# KiCad board reform2-keyboard3.kicad_pcb (continued)
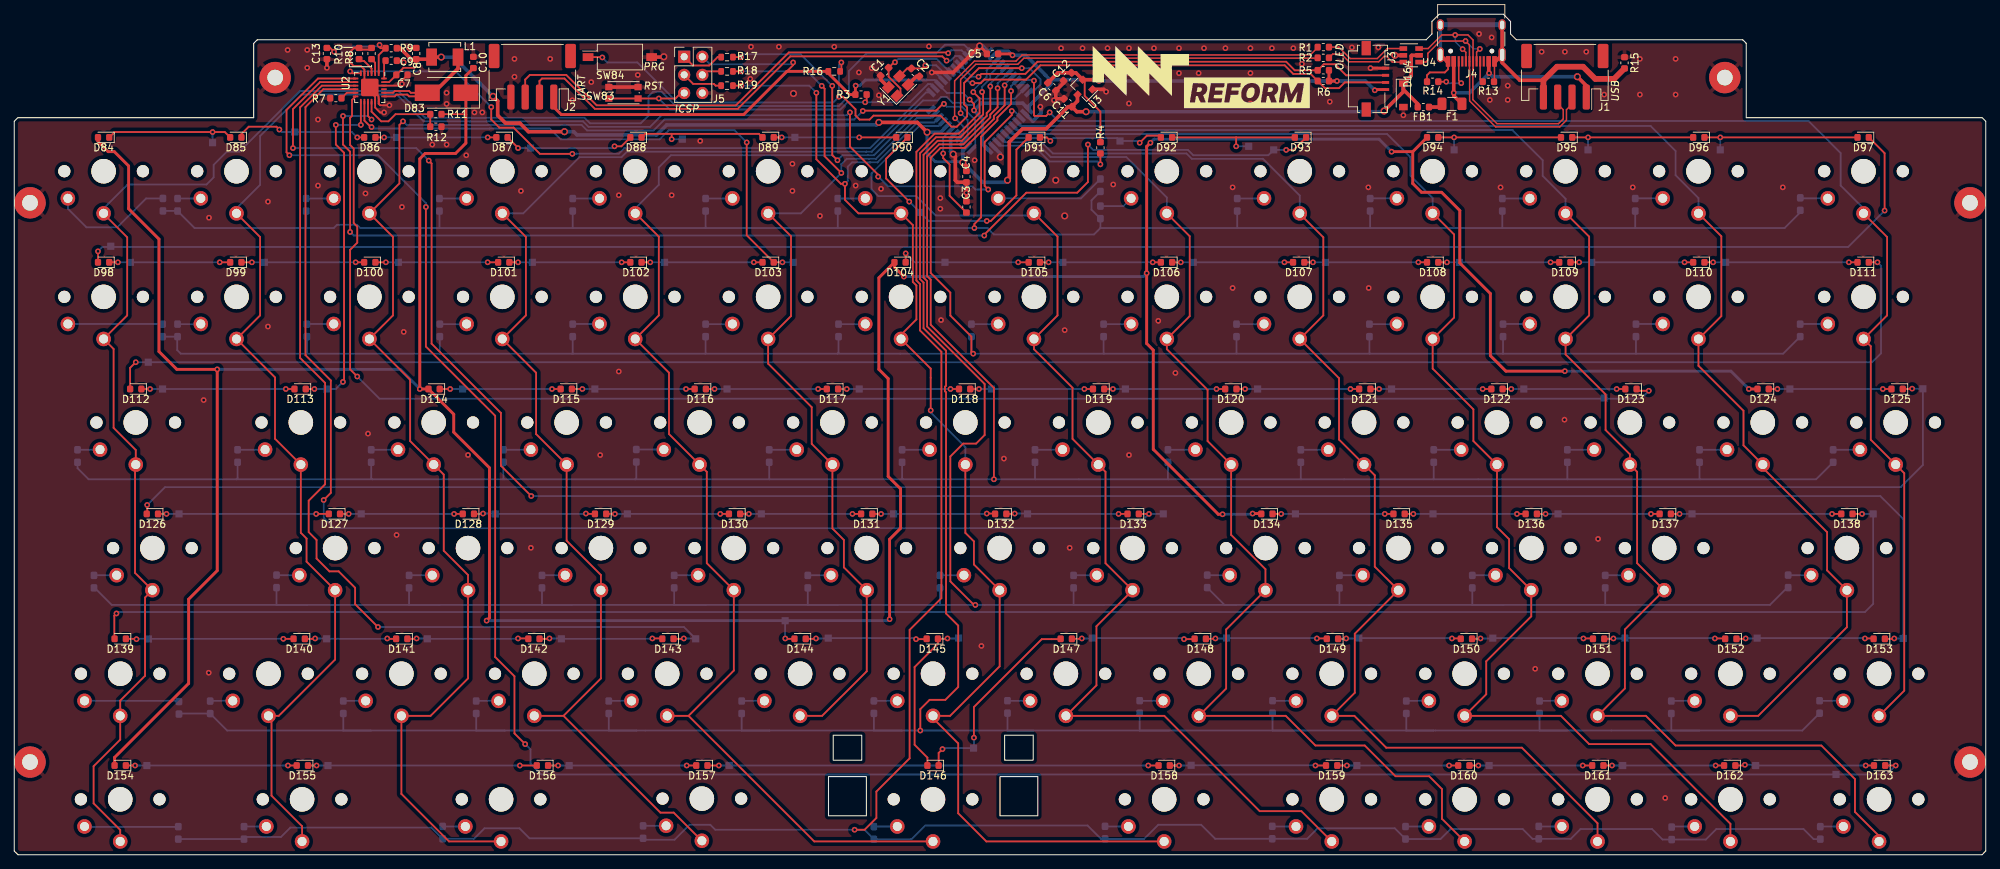
[diagram p0: board, top side]
## Placement (name value [footprint] x y rotation side) (continued)
TP73  TP  [TestPoint_Pad_1.0x1.0mm]  172.75 99.25 0 bottom
TP74  TP  [TestPoint_Pad_1.0x1.0mm]  91 83 0 bottom
TP75  TP  [TestPoint_Pad_1.0x1.0mm]  20.75 65.25 0 bottom
TP76  TP  [TestPoint_Pad_1.0x1.0mm]  211.25 65.25 0 bottom
TP77  TP  [TestPoint_Pad_1.0x1.0mm]  141.8 47.75 0 bottom
TP78  TP  [TestPoint_Pad_1.0x1.0mm]  76.56 30.25 0 bottom
TP79  TP  [TestPoint_Pad_1.0x1.0mm]  243.91 30.35 0 bottom
TP80  TP  [TestPoint_Pad_1.0x1.0mm]  243.7 12.5 0 bottom
TP81  TP  [TestPoint_Pad_1.0x1.0mm]  176.25 98.75 0 bottom
TP82  TP  [TestPoint_Pad_1.0x1.0mm]  109 83 0 bottom
TP83  TP  [TestPoint_Pad_1.0x1.0mm]  43.75 65.25 0 bottom
TP84  TP  [TestPoint_Pad_1.0x1.0mm]  222.5 64 0 bottom
TP85  TP  [TestPoint_Pad_1.0x1.0mm]  160.8 47.75 0 bottom
TP86  TP  [TestPoint_Pad_1.0x1.0mm]  95.36 30.25 0 bottom
TP87  TP  [TestPoint_Pad_1.0x1.0mm]  264.35 30.3 0 bottom
TP88  TP  [TestPoint_Pad_1.0x1.0mm]  254.95 11.25 0 bottom
U1  ATMEGA32U4-AU  [TQFP-44_10x10mm_Pitch0.8mm]  135.15 105.6 45 bottom
U2  TPS61185  [VQFN-24-1EP_4x4mm_P0.5mm_EP2.45x2.45mm]  49.75 107.5 270 top
U3  MCP1700-3302E_SOT23  [SOT-23]  149.5 107.2 225 top
U4  USBLC6-2SC6  [SOT-23-6]  195.5 112 0 top
Y1  16MHz  [Crystal_SMD_3225-4Pin_3.2x2.5mm]  123.7 107.7 45 top

## Library data of the parts
C1 C2 = -: LCSC: C107040; Manufacturer: Yageo; Manufacturer_No: CC0603JRNPO9BN180
C3 C5 C8 C9 C11-C13 = -: LCSC: C14664; Manufacturer: Yageo; Manufacturer_No: CC0603KRX5R8BB105
C4 C6 = -: LCSC: C14663; Manufacturer: Yageo; Manufacturer_No: CC0603KRX7R9BB104
C7 C10 = -: LCSC: C90057; Manufacturer: Murata; Manufacturer_No: GRM188R61E475KE11D
D1-D35 D37-D80 D82 = -: Alt Manuf: On; LCSC: C193404; Manufacturer: MDD; Manufacturer_No: 1N4007WS
D83 = -: Alt Manuf: Diodes; LCSC: C719400; Manufacturer: UMW; Manufacturer_No: SS26
D84-D163 = -: LCSC: C389521; Manufacturer: Meihua; Manufacturer_No: MHT192WDT-C2
D164 = -: Alt Manuf: Nexperia; LCSC: C173406; Manufacturer: MDD; Manufacturer_No: BZT52C5V6
F1 = -: Alt Manuf: Bel Fuse; LCSC: C70082; Manufacturer: TECHFUSE; Manufacturer_No: nSMD100-16V
FB1 = -: LCSC: C14709; Manufacturer: Murata; Manufacturer_No: BLM18PG121SN1D
GFX1-GFX3 H1-H6 J5 = -: Flags: DNP; Manufacturer: DNP; Manufacturer_No: DNP
J1 J2 = -: Alt MPN: 62000411622; Alt Manuf: Würth; LCSC: C265332; Manufacturer: JST; Manufacturer_No: S4B-PH-SM4-K-TB(LF)(SN)
J3 = -: Alt MPN: 686104148922; Alt Manuf: Würth; LCSC: C555410; Manufacturer: XFCN; Manufacturer_No: F1002-B-04-20T-R
J4 = -: LCSC: C165948; Manufacturer: Korean Hroparts; Manufacturer_No: TYPE-C-31-M-12
L1 = -: Alt MPN: SRP4020TA-100M; Alt Manuf: Bourns; LCSC: C98364; Manufacturer: Sunlord; Manufacturer_No: WPN4020H100MT
R1 R2 R17-R19 = -: LCSC: C107701; Manufacturer: Yageo; Manufacturer_No: RC0603FR-0722RL
R3 R16 = -: LCSC: C99198; Manufacturer: Yageo; Manufacturer_No: RC0603JR-0710KL
R4 R15 = -: LCSC: C95177; Manufacturer: Yageo; Manufacturer_No: RC0603JR-070RL
R5 R6 R9 = -: LCSC: C105428; Manufacturer: Yageo; Manufacturer_No: RC0603JR-074K7L
R7 = -: LCSC: C137694; Manufacturer: Yageo; Manufacturer_No: RC0603FR-0762KL
R8 = -: LCSC: C245986; Manufacturer: Yageo; Manufacturer_No: RC0603FR-07604KL
R10 = -: LCSC: C137685; Manufacturer: Yageo; Manufacturer_No: RC0603FR-07715KL
R11 = -: LCSC: C107698; Manufacturer: Yageo; Manufacturer_No: RC0603JR-071ML
R12 = -: LCSC: C227961; Manufacturer: Yageo; Manufacturer_No: AC0603FR-0754K9L
R13 R14 = -: LCSC: C105580; Manufacturer: Yageo; Manufacturer_No: RC0603FR-075K1L
SW1-SW35 SW37-SW80 SW82 = -: LCSC: C400230; Manufacturer: Kailh; Manufacturer_No: CPG135001D02
SW83 = -: Alt MPN: KMR221GLFS; Alt Manuf: C&K; LCSC: C318893; Manufacturer: XKB; Manufacturer_No: TS-1185EC-C-D-B
SW84 = -: Alt MPN: 418121270801; Alt Manuf: Würth; LCSC: C402914; Manufacturer: Dongguan Guangzhu; Manufacturer_No: DSIC01LSGET
U1 = -: Manufacturer: Microchip; Manufacturer_No: ATMEGA32U4-AU / RC
U2 = -: LCSC: C2867853; Manufacturer: Texas Instruments; Manufacturer_No: TPS61185RGET
U3 = -: LCSC: C39051; Manufacturer: Microchip; Manufacturer_No: MCP1700T-3302E/TT
U4 = -: Alt Manuf: STMicroelectronics; LCSC: C2687116; Manufacturer: UMW
Y1 = -: Alt MPN: ABM8AIG-16.000MHz-4-T; Alt Manuf: Abracon; LCSC: C70562; Manufacturer: Yangxing; Manufacturer_No: X322516MRB4SI

## Footprints (pads in the part's own frame, mm; a bottom-side part is the same pattern mirrored in y, then rotated)
C_0603_1608Metric
  rrect 0.875x0.95 smd: 1(-0.788,0) 2(0.788,0)
Crystal_SMD_3225-4Pin_3.2x2.5mm
  rect 1.4x1.2 smd: 1(-1.1,-0.85) 2(1.1,-0.85) 3(1.1,0.85) 4(-1.1,0.85)
D_0603_1608Metric_Pad1.05x0.95mm_HandSolder
  rrect 1.05x0.95 smd: 1(-0.875,0) 2(0.875,0)
D_SMB_Handsoldering
  rect 3.5x2.3 smd: 1(-2.7,0) 2(2.7,0)
D_SOD-123
  rect 0.9x1.2 smd: 1(-1.65,0) 2(1.65,0)
IND_SRP4020TA-150M
  rect 1.5x2.4 smd: 1(-1.85,0) 2(1.85,0)
JST_PH_S4B-PH-SM4-TB_1x04-1MP_P2.00mm_Horizontal
  rrect 1x3.5 smd: 1(-3,2.85) 2(-1,2.85) 3(1,2.85) 4(3,2.85)
  rrect 1.5x3.4 smd: MP(-5.35,-2.9) MP(5.35,-2.9)
L_0603_1608Metric
  rrect 0.875x0.95 smd: 1(-0.787,0) 2(0.787,0)
LED_0603_1608Metric
  rrect 0.875x0.95 smd: 1(-0.787,0) 2(0.787,0)
Molex_200528-0040_1x04-1MP_P1.00mm_Horizontal
  rect 0.4x1 smd: 1(-1.5,0.91) 2(-0.5,0.91) 3(0.5,0.91) 4(1.5,0.91)
  rect 2x1.3 smd: MP(-4.3,-1.79) MP(4.3,-1.79)
MountingHole_2.2mm_M2_Pad
  round 4.4 hole 2.2: 1(0,0)
PG1350
  round 1.702 hole 1.702 unplated: (-5.5,0) (5.5,0)
  round 3.429 hole 3.429 unplated: (0,0)
  round 2.032 hole 1.27: 1(0,-5.9) 2(-5,-3.8)
PinHeader_2x03_P2.54mm_Vertical
  rect 1.7x1.7 hole 1: 1(0,0)
  oval 1.7x1.7 hole 1: 2(2.54,0) 3(0,-2.54) 4(2.54,-2.54) 5(0,-5.08) 6(2.54,-5.08)
R_0603_1608Metric
  rrect 0.875x0.95 smd: 1(-0.787,0) 2(0.787,0)
R_0603_1608Metric#2
  rrect 0.8x0.95 smd: 1(-0.825,0) 2(0.825,0)
R_1206_3216Metric
  rrect 1.25x1.75 smd: 1(-1.4,0) 2(1.4,0)
SOT-23
  rect 0.9x0.8 smd: 1(-1,0.95) 2(-1,-0.95) 3(1,0)
SOT-23-6
  rect 1.06x0.65 smd: 1(-1.1,0.95) 2(-1.1,0) 3(-1.1,-0.95) 4(1.1,-0.95) 5(1.1,0) 6(1.1,0.95)
SW_DIP_SPSTx01_Slide_Omron_A6S-110x_W8.9mm_P2.54mm
  rect 1.5x1.1 smd: 1(-4.45,0) 2(4.45,0)
SW_Push_1P1T_NO_CK_KMR2
  rect 1x0.9 smd: 1(-2.05,0.8) 1(2.05,0.8) 2(-2.05,-0.8) 2(2.05,-0.8)
TestPoint_Pad_1.0x1.0mm
  rect 1x1 smd: 1(0,0)
TQFP-44_10x10mm_Pitch0.8mm
  rect 1.5x0.55 smd: 1(-5.7,4) 2(-5.7,3.2) 3(-5.7,2.4) 4(-5.7,1.6) 5(-5.7,0.8) 6(-5.7,0) 7(-5.7,-0.8) 8(-5.7,-1.6) 9(-5.7,-2.4) 10(-5.7,-3.2) 11(-5.7,-4) 23(5.7,-4) 24(5.7,-3.2) 25(5.7,-2.4) 26(5.7,-1.6) 27(5.7,-0.8) 28(5.7,0) 29(5.7,0.8) 30(5.7,1.6) 31(5.7,2.4) 32(5.7,3.2) 33(5.7,4)
  rect 0.55x1.5 smd: 12(-4,-5.7) 13(-3.2,-5.7) 14(-2.4,-5.7) 15(-1.6,-5.7) 16(-0.8,-5.7) 17(0,-5.7) 18(0.8,-5.7) 19(1.6,-5.7) 20(2.4,-5.7) 21(3.2,-5.7) 22(4,-5.7) 34(4,5.7) 35(3.2,5.7) 36(2.4,5.7) 37(1.6,5.7) 38(0.8,5.7) 39(0,5.7) 40(-0.8,5.7) 41(-1.6,5.7) 42(-2.4,5.7) 43(-3.2,5.7) 44(-4,5.7)
USB_C_Receptacle_HRO_TYPE-C-31-M-12
  round 0.65 hole 0.65 unplated: (-2.89,2.6) (2.89,2.6)
  rect 0.6x1.45 smd: A1(-3.25,4.045) A4(-2.45,4.045) A9(2.45,4.045) A12(3.25,4.045) B1(3.25,4.045) B4(2.45,4.045) B9(-2.45,4.045) B12(-3.25,4.045)
  rect 0.3x1.45 smd: A5(-1.25,4.045) A6(-0.25,4.045) A7(0.25,4.045) A8(1.25,4.045) B5(1.75,4.045) B6(0.75,4.045) B7(-0.75,4.045) B8(-1.75,4.045)
  oval 1x2.1 hole 0.6x1.7: S1(-4.32,3.13) S1(4.32,3.13)
  oval 1x1.6 hole 0.6x1.2: S1(-4.32,-1.05) S1(4.32,-1.05)
VQFN-24-1EP_4x4mm_P0.5mm_EP2.45x2.45mm
  rrect 0.66x0.66 smd: (-0.82,0.82) (-0.82,0) (-0.82,-0.82) (0,0.82) (0,0) (0,-0.82) (0.82,0.82) (0.82,0) (0.82,-0.82)
  rrect 0.775x0.25 smd: 1(-1.988,1.25) 2(-1.988,0.75) 3(-1.988,0.25) 4(-1.988,-0.25) 5(-1.988,-0.75) 6(-1.988,-1.25) 13(1.988,-1.25) 14(1.988,-0.75) 15(1.988,-0.25) 16(1.988,0.25) 17(1.988,0.75) 18(1.988,1.25)
  rrect 0.25x0.775 smd: 7(-1.25,-1.988) 8(-0.75,-1.988) 9(-0.25,-1.988) 10(0.25,-1.988) 11(0.75,-1.988) 12(1.25,-1.988) 19(1.25,1.988) 20(0.75,1.988) 21(0.25,1.988) 22(-0.25,1.988) 23(-0.75,1.988) 24(-1.25,1.988)
  rrect 2.45x2.45 smd: 25(0,0)

## Nets
+3V3: C5.1 C6.1 C12.1 J2.1 J3.4 J5.2 R3.1 R4.2 R5.1 R6.1 R16.1 U1.14 U1.24 U1.34 U1.44 U3.2
+5V: C4.1 C7.1 C8.1 C11.1 D164.1 FB1.1 L1.1 R9.1 U1.2 U1.7 U2.23 U3.3 U4.5
GND: C1.2 C2.2 C3.2 C4.2 C5.2 C6.2 C7.2 C8.2 C9.2 C10.2 C11.2 C12.2 C13.2 D164.2 H1.1 H2.1 H3.1 H4.1 H5.1 H6.1 J2.4 J3.1 J5.6 R7.2 R8.2 R10.2 R12.2 R15.1 SW83.2 SW84.2 U1.5 U1.15 U1.23 U1.35 U1.43 U2.5 U2.17 U2.18 U2.22 U2.25 U3.1 U4.2 Y1.2 Y1.4
/Reform KBD MCU/MISO: J5.1 R17.2
/Reform KBD MCU/MOSI: J5.4 R18.2
/Reform KBD MCU/SCK: J5.3 R19.2
/Reform KBD MCU/UD+: R1.1 U1.4
/Reform KBD MCU/UD-: R2.1 U1.3
COL1: SW1.1 SW2.1 SW3.1 SW4.1 SW5.1 SW6.1 U1.22
COL2: SW7.1 SW8.1 SW9.1 SW10.1 SW11.1 SW12.1 U1.36
COL3: SW13.1 SW14.1 SW15.1 SW16.1 SW17.1 SW18.1 U1.1
COL4: SW19.1 SW20.1 SW21.1 SW22.1 SW23.1 SW24.1 U1.32
COL5: R17.1 SW25.1 SW26.1 SW27.1 SW28.1 SW29.1 SW30.1 U1.11
COL6: R18.1 SW31.1 SW32.1 SW33.1 SW34.1 SW35.1 U1.10
COL7: R19.1 SW37.1 SW38.1 SW39.1 SW40.1 SW41.1 SW42.1 U1.9
COL8: SW43.1 SW44.1 SW45.1 SW46.1 SW47.1 SW48.1 U1.8
COL9: SW49.1 SW50.1 SW51.1 SW52.1 SW53.1 SW54.1 U1.41
COL10: SW55.1 SW56.1 SW57.1 SW58.1 SW59.1 SW60.1 U1.40
COL11: SW61.1 SW62.1 SW63.1 SW64.1 SW65.1 SW66.1 U1.39
COL12: SW67.1 SW68.1 SW69.1 SW70.1 SW71.1 SW72.1 U1.38
COL13: SW73.1 SW74.1 SW75.1 SW76.1 SW77.1 U1.37
COL14: SW78.1 SW79.1 SW80.1 SW82.1 U1.31
D+: R1.2 U4.1
D-: R2.2 U4.3
DISP_SCL: J3.3 R6.2 U1.18
DISP_SDA: J3.2 R5.2 U1.19
HD+: J1.3 J4.A6 J4.B6 U4.6
HD-: J1.2 J4.A7 J4.B7 U4.4
PROG: R16.2 SW84.1 U1.33
PWM: U1.12 U2.6
RESET: J5.5 R3.2 SW83.1 U1.13
ROW1: D1.1 D7.1 D13.1 D19.1 D25.1 D31.1 D37.1 D43.1 D49.1 D55.1 D61.1 D67.1 D73.1 D78.1 U1.30
ROW2: D2.1 D8.1 D14.1 D20.1 D26.1 D32.1 D38.1 D44.1 D50.1 D56.1 D62.1 D68.1 D74.1 D79.1 U1.29
ROW3: D3.1 D9.1 D15.1 D21.1 D27.1 D33.1 D39.1 D45.1 D51.1 D57.1 D63.1 D69.1 D75.1 D80.1 U1.28
ROW4: D4.1 D10.1 D16.1 D22.1 D28.1 D34.1 D40.1 D46.1 D52.1 D58.1 D64.1 D70.1 D76.1 U1.27
ROW5: D5.1 D11.1 D17.1 D23.1 D29.1 D35.1 D41.1 D47.1 D53.1 D59.1 D65.1 D71.1 D77.1 D82.1 U1.26
ROW6: D6.1 D12.1 D18.1 D24.1 D30.1 D42.1 D48.1 D54.1 D60.1 D66.1 D72.1 U1.25
UART_RX: J2.2 U1.20
UART_TX: J2.3 U1.21
Net-(C1-Pad1): C1.1 U1.17 Y1.1
Net-(C2-Pad1): C2.1 U1.16 Y1.3
Net-(C3-Pad1): C3.1 U1.6
Net-(C9-Pad1): C9.1 U2.24
Net-(C10-Pad1): C10.1 D83.1 D84.2 D94.2 D104.2 D114.2 D124.2 D134.2 D144.2 D154.2 R11.1 TP1.1
Net-(C13-Pad1): C13.1 R9.2 U2.1
Net-(D1-Pad2): D1.2 SW1.2
Net-(D2-Pad2): D2.2 SW2.2
Net-(D3-Pad2): D3.2 SW3.2
Net-(D4-Pad2): D4.2 SW4.2
Net-(D5-Pad2): D5.2 SW5.2
Net-(D6-Pad2): D6.2 SW6.2
Net-(D7-Pad2): D7.2 SW7.2
Net-(D8-Pad2): D8.2 SW8.2
Net-(D9-Pad2): D9.2 SW9.2
Net-(D10-Pad2): D10.2 SW10.2
Net-(D11-Pad2): D11.2 SW11.2
Net-(D12-Pad2): D12.2 SW12.2
Net-(D13-Pad2): D13.2 SW13.2
Net-(D14-Pad2): D14.2 SW14.2
Net-(D15-Pad2): D15.2 SW15.2
Net-(D16-Pad2): D16.2 SW16.2
Net-(D17-Pad2): D17.2 SW17.2
Net-(D18-Pad2): D18.2 SW18.2
Net-(D19-Pad2): D19.2 SW19.2
Net-(D20-Pad2): D20.2 SW20.2
Net-(D21-Pad2): D21.2 SW21.2
Net-(D22-Pad2): D22.2 SW22.2
Net-(D23-Pad2): D23.2 SW23.2
Net-(D24-Pad2): D24.2 SW24.2
Net-(D25-Pad2): D25.2 SW25.2
Net-(D26-Pad2): D26.2 SW26.2
Net-(D27-Pad2): D27.2 SW27.2
Net-(D28-Pad2): D28.2 SW28.2
Net-(D29-Pad2): D29.2 SW29.2
Net-(D30-Pad2): D30.2 SW30.2
Net-(D31-Pad2): D31.2 SW31.2
Net-(D32-Pad2): D32.2 SW32.2
Net-(D33-Pad2): D33.2 SW33.2
Net-(D34-Pad2): D34.2 SW34.2
Net-(D35-Pad2): D35.2 SW35.2
Net-(D37-Pad2): D37.2 SW37.2
Net-(D38-Pad2): D38.2 SW38.2
Net-(D39-Pad2): D39.2 SW39.2
Net-(D40-Pad2): D40.2 SW40.2
Net-(D41-Pad2): D41.2 SW41.2
Net-(D42-Pad2): D42.2 SW42.2
Net-(D43-Pad2): D43.2 SW43.2
Net-(D44-Pad2): D44.2 SW44.2
Net-(D45-Pad2): D45.2 SW45.2
Net-(D46-Pad2): D46.2 SW46.2
Net-(D47-Pad2): D47.2 SW47.2
Net-(D48-Pad2): D48.2 SW48.2
Net-(D49-Pad2): D49.2 SW49.2
Net-(D50-Pad2): D50.2 SW50.2
Net-(D51-Pad2): D51.2 SW51.2
Net-(D52-Pad2): D52.2 SW52.2
Net-(D53-Pad2): D53.2 SW53.2
Net-(D54-Pad2): D54.2 SW54.2
Net-(D55-Pad2): D55.2 SW55.2
Net-(D56-Pad2): D56.2 SW56.2
Net-(D57-Pad2): D57.2 SW57.2
Net-(D58-Pad2): D58.2 SW58.2
Net-(D59-Pad2): D59.2 SW59.2
Net-(D60-Pad2): D60.2 SW60.2
Net-(D61-Pad2): D61.2 SW61.2
Net-(D62-Pad2): D62.2 SW62.2
Net-(D63-Pad2): D63.2 SW63.2
Net-(D64-Pad2): D64.2 SW64.2
Net-(D65-Pad2): D65.2 SW65.2
Net-(D66-Pad2): D66.2 SW66.2
Net-(D67-Pad2): D67.2 SW67.2
Net-(D68-Pad2): D68.2 SW68.2
Net-(D69-Pad2): D69.2 SW69.2
Net-(D70-Pad2): D70.2 SW70.2
Net-(D71-Pad2): D71.2 SW71.2
Net-(D72-Pad2): D72.2 SW72.2
Net-(D73-Pad2): D73.2 SW73.2
Net-(D74-Pad2): D74.2 SW74.2
Net-(D75-Pad2): D75.2 SW75.2
Net-(D76-Pad2): D76.2 SW76.2
Net-(D77-Pad2): D77.2 SW77.2
Net-(D78-Pad2): D78.2 SW78.2
Net-(D79-Pad2): D79.2 SW79.2
Net-(D80-Pad2): D80.2 SW80.2
Net-(D82-Pad2): D82.2 SW82.2
Net-(D83-Pad2): D83.2 L1.2 U2.19 U2.20
Net-(D84-Pad1): D84.1 D85.2 TP9.1
Net-(D85-Pad1): D85.1 D86.2 TP17.1
Net-(D86-Pad1): D86.1 D87.2 TP25.1
Net-(D87-Pad1): D87.1 D88.2 TP33.1
Net-(D88-Pad1): D88.1 D89.2 TP41.1
Net-(D89-Pad1): D89.1 D90.2 TP49.1
Net-(D90-Pad1): D90.1 D91.2 TP57.1
Net-(D91-Pad1): D91.1 D92.2 TP65.1
Net-(D92-Pad1): D92.1 D93.2 TP73.1
Net-(D93-Pad1): D93.1 TP81.1 U2.15
Net-(D94-Pad1): D94.1 D95.2 TP10.1
Net-(D95-Pad1): D95.1 D96.2 TP18.1
Net-(D96-Pad1): D96.1 D97.2 TP26.1
Net-(D97-Pad1): D97.1 D98.2 TP34.1
Net-(D98-Pad1): D98.1 D99.2 TP42.1
Net-(D100-Pad1): D100.1 D101.2 TP58.1
Net-(D100-Pad2): D99.1 D100.2 TP50.1
Net-(D101-Pad1): D101.1 D102.2 TP66.1
Net-(D102-Pad1): D102.1 D103.2 TP74.1
Net-(D103-Pad1): D103.1 TP82.1 U2.14
Net-(D104-Pad1): D104.1 D105.2 TP11.1
Net-(D105-Pad1): D105.1 D106.2 TP19.1
Net-(D106-Pad1): D106.1 D107.2 TP27.1
Net-(D107-Pad1): D107.1 D108.2 TP35.1
Net-(D108-Pad1): D108.1 D109.2 TP43.1
Net-(D109-Pad1): D109.1 D110.2 TP51.1
Net-(D110-Pad1): D110.1 D111.2 TP59.1
Net-(D111-Pad1): D111.1 D112.2 TP67.1
Net-(D112-Pad1): D112.1 D113.2 TP75.1
Net-(D113-Pad1): D113.1 TP83.1 U2.13
Net-(D114-Pad1): D114.1 D115.2 TP12.1
Net-(D115-Pad1): D115.1 D116.2 TP20.1
Net-(D116-Pad1): D116.1 D117.2 TP28.1
Net-(D117-Pad1): D117.1 D118.2 TP36.1
Net-(D118-Pad1): D118.1 D119.2 TP44.1
Net-(D119-Pad1): D119.1 D120.2 TP52.1
Net-(D120-Pad1): D120.1 D121.2 TP60.1
Net-(D121-Pad1): D121.1 D122.2 TP68.1
Net-(D122-Pad1): D122.1 D123.2 TP76.1
Net-(D123-Pad1): D123.1 TP84.1 U2.12
Net-(D124-Pad1): D124.1 D125.2 TP13.1
Net-(D125-Pad1): D125.1 D126.2 TP21.1
Net-(D126-Pad1): D126.1 D127.2 TP29.1
Net-(D127-Pad1): D127.1 D128.2 TP37.1
Net-(D128-Pad1): D128.1 D129.2 TP45.1
Net-(D129-Pad1): D129.1 D130.2 TP53.1
Net-(D130-Pad1): D130.1 D131.2 TP61.1
Net-(D131-Pad1): D131.1 D132.2 TP69.1
Net-(D132-Pad1): D132.1 D133.2 TP77.1
Net-(D133-Pad1): D133.1 TP85.1 U2.10
Net-(D134-Pad1): D134.1 D135.2 TP14.1
Net-(D135-Pad1): D135.1 D136.2 TP22.1
Net-(D136-Pad1): D136.1 D137.2 TP30.1
Net-(D137-Pad1): D137.1 D138.2 TP38.1
Net-(D138-Pad1): D138.1 D139.2 TP46.1
Net-(D139-Pad1): D139.1 D140.2 TP54.1
Net-(D140-Pad1): D140.1 D141.2 TP62.1
Net-(D141-Pad1): D141.1 D142.2 TP70.1
Net-(D142-Pad1): D142.1 D143.2 TP78.1
Net-(D143-Pad1): D143.1 TP86.1 U2.9
Net-(D144-Pad1): D144.1 D145.2 TP15.1
Net-(D145-Pad1): D145.1 D146.2 TP23.1
Net-(D146-Pad1): D146.1 D147.2 TP31.1
Net-(D147-Pad1): D147.1 D148.2 TP39.1
Net-(D148-Pad1): D148.1 D149.2 TP47.1
Net-(D149-Pad1): D149.1 D150.2 TP55.1
Net-(D150-Pad1): D150.1 D151.2 TP63.1
Net-(D151-Pad1): D151.1 D152.2 TP71.1
Net-(D152-Pad1): D152.1 D153.2 TP79.1
Net-(D153-Pad1): D153.1 TP87.1 U2.8
Net-(D154-Pad1): D154.1 D155.2 TP16.1
Net-(D155-Pad1): D155.1 D156.2 TP24.1
Net-(D156-Pad1): D156.1 D157.2 TP32.1
Net-(D157-Pad1): D157.1 D158.2 TP40.1
Net-(D158-Pad1): D158.1 D159.2 TP48.1
Net-(D159-Pad1): D159.1 D160.2 TP56.1
Net-(D160-Pad1): D160.1 D161.2 TP64.1
Net-(D161-Pad1): D161.1 D162.2 TP72.1
Net-(D162-Pad1): D162.1 D163.2 TP80.1
Net-(D163-Pad1): D163.1 TP88.1 U2.7
Net-(F1-Pad1): F1.1 J1.1 J4.A4 J4.A9 J4.B4 J4.B9
Net-(F1-Pad2): F1.2 FB1.2
Net-(J1-Pad4): J1.4 J4.A1 J4.A12 J4.B1 J4.B12 J4.S1 R13.1 R14.2 R15.2
Net-(J4-PadA5): J4.A5 R13.2
Net-(J4-PadB5): J4.B5 R14.1
Net-(R4-Pad1): R4.1 U1.42
Net-(R7-Pad1): R7.1 U2.11
Net-(R8-Pad1): R8.1 U2.2
Net-(R10-Pad1): R10.1 U2.3
Net-(R11-Pad2): R11.2 R12.1 U2.16

Pads without a net: J1 MP; J2 MP; J3 MP; J4 A8 B8; U2 4 21

## Via types
v1: diameter 0.8, hole 0.4, Top to Bottom, 365 vias
v2: diameter 1, hole 0.6, Top to Bottom, 18 vias

## Routing (per net, layer and track width the routed paths; a pad name or vN(x,y) marks a point on that pad's centre or on a via; arc(x,y) is an arc through that point)
+3V3: length 183.4
  Top w0.25: U3.2 149.8,108.31 149.8,106.31 152,104.11 R4.2 ; 108.12,109.75 109,110.62 v1(109,111) ; v1(134.31,104.29) 134.31,105.19 v1(133.7,105.8)
  Top w0.4: R5.1 R6.1 v1(185.1,108.4) ; 75.5,105.15 75.5,104.75 76.55,103.7 102.08,103.7 108.12,109.75 113.65,109.75 116.9,106.5 R3.1 117.71,107.71 v1(117.75,107.75) ; v1(139.7,112) 139.5,112.2 C5.1 ; J3.4 190.5,107.2
  Top w0.5: 190.5,107.2 v1(190.4,107.1) ; v1(151.8,108.4) 151.62,108.58 U3.2 148.56,109.56 C12.1 146.04,109.56 C6.1
  Bottom w0.25: v1(133.7,105.8) 132.77,106.72 130.53,106.72 129.42,107.83 U1.14 128.82,108.53 127.66,108.53 ; v1(109,111) 108.75,110.75 97.34,110.75 J5.2
  Bottom w0.4: 127.66,108.53 119.1,108.53 118.32,107.75 v1(117.75,107.75) ; U1.24 137.62,112.6 139.1,112.6 v1(139.7,112) 139.31,112.39
  Bottom w0.5: U1.44 135.5,99.59 135.5,103.1 v1(134.31,104.29) 135.32,105.29 141.12,105.29 U1.34 142.01,104.91 145.12,108.03 145.12,108.4 ; 145.12,108.4 145.3,108.58 151.62,108.58 v1(151.8,108.4) v1(185.1,108.4) 189.1,108.4 v1(190.4,107.1) ; 145.12,108.4 144.3,109.22 144.3,109.25 141.55,112 v1(139.7,112)
+5V: length 188.4
  Top w0.25: U2.23 52.46,108.25 C7.1 54.46,110.25 56,110.25 56.25,110.5 C8.1
  Top w0.5: v2(121,102.6) 126.38,102.6 v2(127.75,101.22) ; v2(59.75,111.75) L1.1 58.11,111.46 C8.1 55.54,111.46 54,113 R9.1 ; v2(191.7,104.2) 194.4,106.9 D164.1 ; C11.1 148.79,105.59 U3.3 ; C11.1 147.5,104.8 144.4,101.7 141.1,101.7 139.25,99.85 139.25,94.75 v2(139,94.5) ; C11.1 148.7,104.1 v2(150,104.1) ; D164.1 194.4,107.2 196.41,105.19 FB1.1 ; D164.1 195.5,109.15 195.5,111.93 195.57,112 U4.5 ; v2(67,106.25) 67.65,105.6 67.65,103.6 68.75,102.5 70.75,102.5 71.95,101.3 v2(77,101.3) ; C4.1 133.25,96.5 v2(132.75,97)
  Bottom w0.4: v2(132.75,97) 132.65,97.1 128.9,97.1 127.75,98.25 v2(127.75,101.22)
  Bottom w0.5: v2(191.7,104.2) 191.6,104.1 v2(150,104.1) ; U1.2 132.75,98.67 132.75,98.64 132.72,98.61 132.72,98.2 132.75,98.17 v2(132.75,97) 135.55,94.2 138.7,94.2 v2(139,94.5) ; U1.7 129.64,101.22 v2(127.75,101.22) ; v2(67,106.25) 61.5,111.75 v2(59.75,111.75) ; v2(121,102.6) 120.65,102.25 91.3,102.25 89.9,100.85 78.75,100.85 78.3,101.3 v2(77,101.3)
GND: length 79.7
  Top w0.25: U2.25 49,108.25 U2.5 49,110 48.5,110.5 47.5,110.5 47,111 47,112.5 47.54,113.04 R10.2 ; U2.25 50.97,106.28 50.97,106.03 51,106 U2.18 51,105.2 51.2,105 v1(52.5,105) ; U2.25 49.75,106.95 50.5,106.2 U2.17 50.5,104.68 51.18,104 v1(51.75,104) ; U2.25 50,107.75 U2.22 54,107.75 v1(54.25,108) 54.25,108.46 C7.2 ; 48.25,112.79 49.75,112.79 R8.2 ; C9.2 54.28,111.25 v1(54.5,111.03) ; C8.2 55.29,113.04 v1(55.26,113.01)
  Top w0.4: J3.1 v1(189.8,110.2) ; C5.2 136.11,112.29 v2(135.1,113.3) ; C3.2 v1(133.25,92.75) C4.2
  Top w0.5: Y1.4 121.24,108.6 C1.2 ; SW83.2 SW83.2 ; U4.2 v2(193.2,112) ; v2(135.1,113.3) 131.4,109.6 v1(128.4,109.6) ; SW84.2 90.85,111.75 v2(90.9,111.8) ; v2(131.4,98.15) 131.7,97.85 131.7,94.5 131.99,94.21 C4.2 ; v1(152.8,106.9) 152.46,107.24 U3.1 ; C12.2 146.84,108.13 C6.2 145.76,105.96 v1(145.5,105.7) 145.71,105.91 C11.2 ; C13.2 v1(43.75,110.25) ; C2.2 126.25,109.04 Y1.2
  Bottom w0.25: U1.15 128.89,109.6 v1(128.4,109.6)
  Bottom w0.5: U1.5 131.03,100.34 131.03,98.52 v2(131.4,98.15) ; v2(138,97.75) 138,98.22 U1.43 ; U1.23 135.51,113.3 v2(135.1,113.3) ; U1.35 141.48,103.83 142.56,102.76 143.7,103.9 143.7,104.7 v1(143.6,104.8)
  vias: v1(26.5,63.7) v1(27.25,89.25) v1(27.21,25.5) v1(35.5,91.5) v1(35.5,74) v1(38.25,112.75) v1(41,112.75) v1(41,110.25) v1(42.5,103) v1(42.5,93.75) v1(49.15,92.65) v1(49.5,59) v1(53.5,44.8) v1(54.25,90.75) v1(54.5,73.25) v1(58.5,99.5) v1(60.5,106.75) v1(60.5,105.2) v1(60.5,99.5) v1(63.25,98) v1(63.5,56) v1(64.4,104) v1(65.5,104) v1(70,111.5) v1(70,109) v1(70.9,93) v1(72.3,43) v1(75,111.5) v1(78.1,105.7) v1(80.75,108.25) v1(82,56) v1(84.6,92.4) v1(84.6,67.7) v1(87.25,109.25) v1(92,92.4) v1(96,100) v1(103,108.7) v1(103.1,113.2) v1(107,113.2) v1(108.9,96.8) v1(108.9,93) v1(112.75,89.5) v1(114.75,113.2) v1(117.75,93.75) v1(118.2,109.6) v1(120,110.2) v1(121,106.4) v1(121.3,93.3) v1(128,113.25) v1(129.6,92) v1(129.6,90.5) v1(129.7,74.9) v1(134.4,97.3) v1(135.35,29.25) v1(138.5,55.5) v1(146.5,113) v1(147,73.5) v1(147.7,43) v1(149.5,113) v1(153,113) v1(153.8,93.9) v1(156,113) v1(156,109.5) v1(156,105.25) v1(156,56) v1(159.5,113) v1(160.1,74.8) v1(162.5,67.5) v1(163,113) v1(163,109.5) v1(165.75,109.5) v1(165.75,105.25) v1(166.5,113) v1(169.5,113) v1(170.5,93.5) v1(170.5,79.4) v1(173,113) v1(173,109.5) v1(173,105.25) v1(176,113) v1(179,113) v1(180.2,110.8) v1(184.1,105.5) v1(187.2,113.1) v1(189.5,93.5) v1(189.55,79.4) v1(190.9,113.1) v1(194.4,103.6) v1(205,115) v1(206.5,105.75) v1(206.75,114.5) v1(208,93.5) v1(209,107.75) v1(209,105.75) v1(212.85,26.05) v1(213.75,112.5) v1(216.95,60.95) v1(217,112.5) v1(220,112.5) v1(221.65,44.25) v1(222.5,106.5) v1(226.5,93.5) v1(227.5,111.5) v1(227.5,106.5) v1(231.05,7.95) v1(232.5,111.5) v1(232.5,106.5) v1(247.5,93.5) v2(109.05,106.65) v2(145.75,94.5) v2(147,89.5)
/Reform KBD MCU/MISO: length 6.2
  Top w0.25: R17.2 98.42,111.75 97.25,110.57 94.98,110.57 J5.1
/Reform KBD MCU/MOSI: length 2.8
  Top w0.25: J5.4 96.78,109.75 R18.2
/Reform KBD MCU/SCK: length 5.8
  Top w0.25: R19.2 98.15,107.75 97.9,108 95.01,108 J5.3
/Reform KBD MCU/UD+: length 61.5
  Top w0.2: v1(131.68,103.18) 131.6,103.25 131.6,108.42 134.37,111.19 140.19,111.19 141.05,112.05 181.36,112.05 182.41,113.1
  Bottom w0.25: U1.4 132.85,101.04 132.85,102 v1(131.68,103.18)
/Reform KBD MCU/UD-: length 60.6
  Top w0.2: v1(132.44,103.9) 132.44,108.62 134.56,110.74 140.43,110.74 141.29,111.6 182.36,111.6 R2.1
  Bottom w0.25: U1.3 133.42,100.47 133.42,102.92 v1(132.44,103.9)
COL1: length 240
  Top w0.25: 12.5,89.8 15.8,86.5 15.8,75.56 SW2.1 13.9,70.86 13.9,59.8 17,56.7 SW3.1 16.9,54.56 16.9,39.48 SW4.1 18.3,36.03 18.3,25.07 14.82,21.59 SW5.1 14.82,16.12 11.1,12.4 11.1,7.2 14.82,3.47 SW6.1
  Bottom w0.25: U1.22 132.93,113.48 130.23,113.48 129,112.25 119.25,112.25 116.8,109.8 116.8,106.3 115.4,104.9 92.59,104.9 90.59,106.9 89.4,106.9 88.75,106.25 88.75,103.55 87.68,102.48 80.58,102.48 79.8,103.25 65.9,103.25 65.87,103.22 64.03,103.22 64,103.25 57.5,103.25 53.75,107 40,107 31.5,98.5 29.75,98.5 27.9,96.65 27.9,94.9 26.9,93.9 15.85,93.9 12.5,90.55
COL2: length 243.5
  Top w0.25: v1(136.3,93.2) 135.8,93.7 135.8,99.83 139.6,103.63 v1(139.6,104.2) ; v1(116.95,104) 116.95,99.22 120.9,95.27 v1(120.9,95) ; SW12.1 40.27,3.99 36,8.27 36,19.03 SW11.1 37.01,19.46 44.9,27.35 SW10.1 40.9,41.06 40.9,44.3 40.1,45.1 SW9.1 36.49,58.27 36.49,66.87 SW8.1 34.4,75.56 34.4,86.55 31.1,89.85
  Bottom w0.25: v1(139.6,104.2) 139.94,104.2 U1.36 ; v1(120.9,95) 122.25,93.65 134.06,93.65 134.51,93.2 v1(136.3,93.2) ; 31.1,90.55 34.4,93.85 34.4,100.69 40.21,106.5 53.54,106.5 57.29,102.75 63.8,102.75 63.82,102.72 66.08,102.72 66.1,102.75 79.59,102.75 80.37,101.97 88.97,101.97 90.6,103.6 116.55,103.6 v1(116.95,104)
COL3: length 215.1
  Top w0.25: v1(118.75,104.2) 118.8,104.25 129,104.25 129.95,105.2 v1(130.1,105.2) ; v1(54.4,102.75) 53.9,102.25 53.9,94.06 SW13.1 53,86.56 53,75.56 SW14.1 55.4,66.56 55.4,57.96 SW15.1 60.1,53.26 60.1,42.59 63.5,39.19 SW16.1 63.5,24.7 58.26,19.46 SW17.1 54.17,8.53 60.84,1.86 SW18.1
  Bottom w0.25: v1(130.1,105.2) 130.5,104.8 132.65,104.8 134.48,102.96 134.48,99.28 U1.1 ; v1(118.75,104.2) 117.55,103 91,103 89.47,101.47 80.16,101.47 79.39,102.25 66.31,102.25 66.29,102.22 63.61,102.22 63.59,102.25 54.9,102.25 v1(54.4,102.75)
COL4: length 193.1
  Top w0.25: 76.86,19.46 90.42,5.9 92.28,5.9 SW24.1 ; 76.86,19.46 82.1,24.7 SW22.1 82.1,39.19 77.3,43.99 SW21.1 73.03,58.93 73.03,67.53 SW20.1 71.6,75.56 71.6,86.56 SW19.1 ; 76.86,19.46 SW23.1
  Bottom w0.25: U1.32 140,105.93 134.98,105.93 134.07,105.02 133.33,105.02 133,105.35 131.3,105.35 130.47,106.18 129.73,106.18 129.23,105.68 127.18,105.68 120,98.5 119.21,98.5 85.75,98.5 84.97,97.72 79.09,97.72 71.23,89.86 SW19.1
COL5: length 201.8
  Top w0.25: R17.1 v1(101.7,111.75) ; 94.36,19.46 SW29.1 ; 94.36,19.46 111.96,1.86 SW30.1 ; 94.36,19.46 100.7,25.8 SW28.1 96.92,40.84 96.92,53.64 SW27.1 91.63,58.93 91.63,67.53 SW26.1 90.2,75.56 90.2,86.6 86.9,89.9 ; v1(114.47,107.72) 114.47,98.03 v1(115.2,97.3)
  Bottom w0.25: v1(114.47,107.72) 110.05,112.15 102.1,112.15 v1(101.7,111.75) ; U1.11 126.71,104.4 120.31,98 119.41,98 115.9,98 v1(115.2,97.3) 114.5,98 91.9,98 90.2,96.3 90.2,93.85 86.9,90.55
COL6: length 140.9
  Top w0.25: 105.5,89.85 108.7,86.65 108.7,75.46 SW32.1 105.5,68.8 111.6,62.7 111.6,57.56 SW33.1 114.5,45.7 116.1,44.1 116.1,40.26 SW34.1 119.3,25.7 113.06,19.46 SW35.1 ; v1(115.75,95.52) 113.4,97.86 113.4,107.32 v1(113,107.72) ; R18.1 v1(101.75,109.75)
  Bottom w0.25: v1(113,107.72) 110.97,109.75 v1(101.75,109.75) ; U1.10 128.26,103.23 126.34,103.23 120.61,97.5 119.62,97.5 116.5,97.5 115.75,96.75 v1(115.75,95.52) 110.09,89.86 SW31.1
COL7: length 184.6
  Top w0.25: SW39.1 133.1,45.1 134.3,43.9 134.3,40.66 SW40.1 137.9,26.4 130.96,19.46 SW41.1 128.57,19.12 132.1,15.6 132.1,5.8 136.04,1.86 SW42.1 ; v1(112.25,106.75) 112.25,97.43 115.68,94 v1(116.25,94) 116.25,91.75 118.14,89.86 SW37.1 125.75,88.21 125.75,80.25 126.25,79.75 126.25,75 124.1,72.85 SW38.1 128.25,68.11 v1(128.25,62.25) ; v1(101.75,107.75) R19.1
  Bottom w0.25: SW39.1 133.1,57.1 128.25,61.95 v1(128.25,62.25) ; U1.9 128.76,102.6 126.41,102.6 120.81,97 119.75,97 117.25,97 116.65,96.4 116.65,94.4 v1(116.25,94) ; v1(101.75,107.75) 111.25,107.75 v1(112.25,106.75)
COL8: length 166.8
  Top w0.25: SW48.1 180.13,6.1 174.3,6.1 160.94,19.46 SW47.1 151.45,23.73 151.45,32.01 SW46.1 152.72,40.84 152.72,53.64 SW45.1 148.1,58.26 148.1,65.42 142.7,70.82 SW44.1 146,75.56 146,86.6 142.7,89.9
  Bottom w0.25: U1.8 129.39,102.1 126.62,102.1 119.97,95.45 119.97,93.23 120.92,92.28 126.22,92.28 128.93,89.57 142.41,89.57 SW43.1
COL9: length 157.8
  Top w0.25: 161.3,89.85 164.5,86.65 164.5,75.46 SW50.1 161.3,70.82 167,65.12 167,57.96 SW51.1 170.3,44.8 175.1,40 SW52.1 169.6,31.56 169.6,23.28 SW53.1 177.94,19.46 182.1,15.3 189,15.3 193.3,11 198,11 199.8,9.2 199.8,5.03 SW54.1
  Bottom w0.25: U1.41 138.65,99.84 142.96,99.84 145.05,97.75 155.62,97.75 161.3,92.07 161.3,90.55
COL10: length 175.3
  Top w0.25: 179.9,89.8 183.2,86.5 183.2,75.56 SW56.1 185.4,66.76 185.4,58.16 SW57.1 190.4,53.16 190.4,40.36 SW58.1 187.6,30.96 187.6,22.69 SW59.1 187.54,19.46 192,15 210.98,15 221.57,4.41 SW60.1
  Bottom w0.25: 179.9,90.55 179.9,92.35 174.75,97.5 164.79,97.5 164.04,98.25 145.35,98.25 143.2,100.4 139.22,100.4 U1.40
COL11: length 194.7
  Top w0.25: SW66.1 240.18,4.32 229,15.5 220.4,15.5 216.44,19.46 SW65.1 206,22.48 206,27.1 212.3,33.4 SW64.1 209.2,40.16 209.2,44.2 207.5,45.9 SW63.1 204.2,57.96 204.2,62.4 198.5,68.1 SW62.1 201.5,75.26 201.5,86.9 198.5,89.9
  Bottom w0.25: U1.39 139.78,100.97 192.13,100.97 195.4,97.7 195.4,95.1 198.5,92 198.5,90.55
COL12: length 216.8
  Top w0.25: 217.1,89.9 220.4,86.6 220.4,75.56 SW68.1 217.1,70.1 222.7,64.5 222.7,59.5 226.1,56.1 SW69.1 227.12,53.64 227.12,40.84 SW70.1 225.4,31.56 225.4,23.28 SW71.1 228.34,19.46 232.5,15.3 252.9,15.3 257.6,10.6 257.6,6 260.98,2.62 SW72.1
  Bottom w0.25: 217.1,90.55 217.1,91.9 213.9,95.1 213.9,97.3 209.67,101.53 140.35,101.53 U1.38
COL13: length 193.9
  Top w0.25: 235.7,89.85 238.9,86.65 238.9,75.46 SW74.1 235.7,68.5 242,62.2 242,57.36 SW75.1 244.7,54.2 253.7,45.2 253.7,39.83 SW76.1 256.48,31.88 244.06,19.46 SW77.1
  Bottom w0.25: 235.7,90.55 235.7,92 232.5,95.2 232.5,98.6 229,102.1 140.91,102.1 U1.37
COL14: length 208.5
  Top w0.25: v1(142.7,108.45) 142.7,103.6 142.8,103.5 144.4,103.5 v1(144.9,104) ; SW82.1 264.5,22.98 264.5,53.46 SW80.1 259.82,58.14 259.82,71.24 SW79.1 262.1,75.56 262.1,86.55 258.8,89.85
  Bottom w0.25: v1(144.9,104) 146.1,102.8 251.1,102.8 255.6,98.3 255.6,93.75 258.8,90.55 ; v1(142.7,108.45) 142.62,108.53 141.48,108.53 U1.31
D+: length 11.7
  Top w0.2: U4.1 192.15,112.95 190.75,111.55 186.97,111.55 185.37,113.15 R1.2
D-: length 11.7
  Top w0.2: R2.2 184.51,112.17 185.71,112.17 186.78,111.1 190.95,111.1 191.7,111.85 192.05,111.85 192.85,111.05 U4.3
DISP_SCL: length 63.8
  Top w0.25: v1(134.1,108.1) 135.25,108.1 135.75,108.6 141.6,108.6 143.6,110.6 177.79,110.6 178.99,109.4 181.41,109.4 R6.2 183.41,107.4 185.4,107.4 186.2,108.2 J3.3
  Bottom w0.25: v1(134.1,108.1) 133.78,108.1 U1.18
